# Altium PCB PCB1.PcbDoc
Units mm, origin at the board's own origin, x right, y up, seen from the top; angles counter-clockwise.
Board outline 100 x 100 mm, 4 copper layers (Top Layer, AGND, PWR, Bottom Layer), stack 1.747 mm thick; 183 components, 95 nets, 503 pads, 69 vias.
Unrouted connection lines stored in the file: 247.
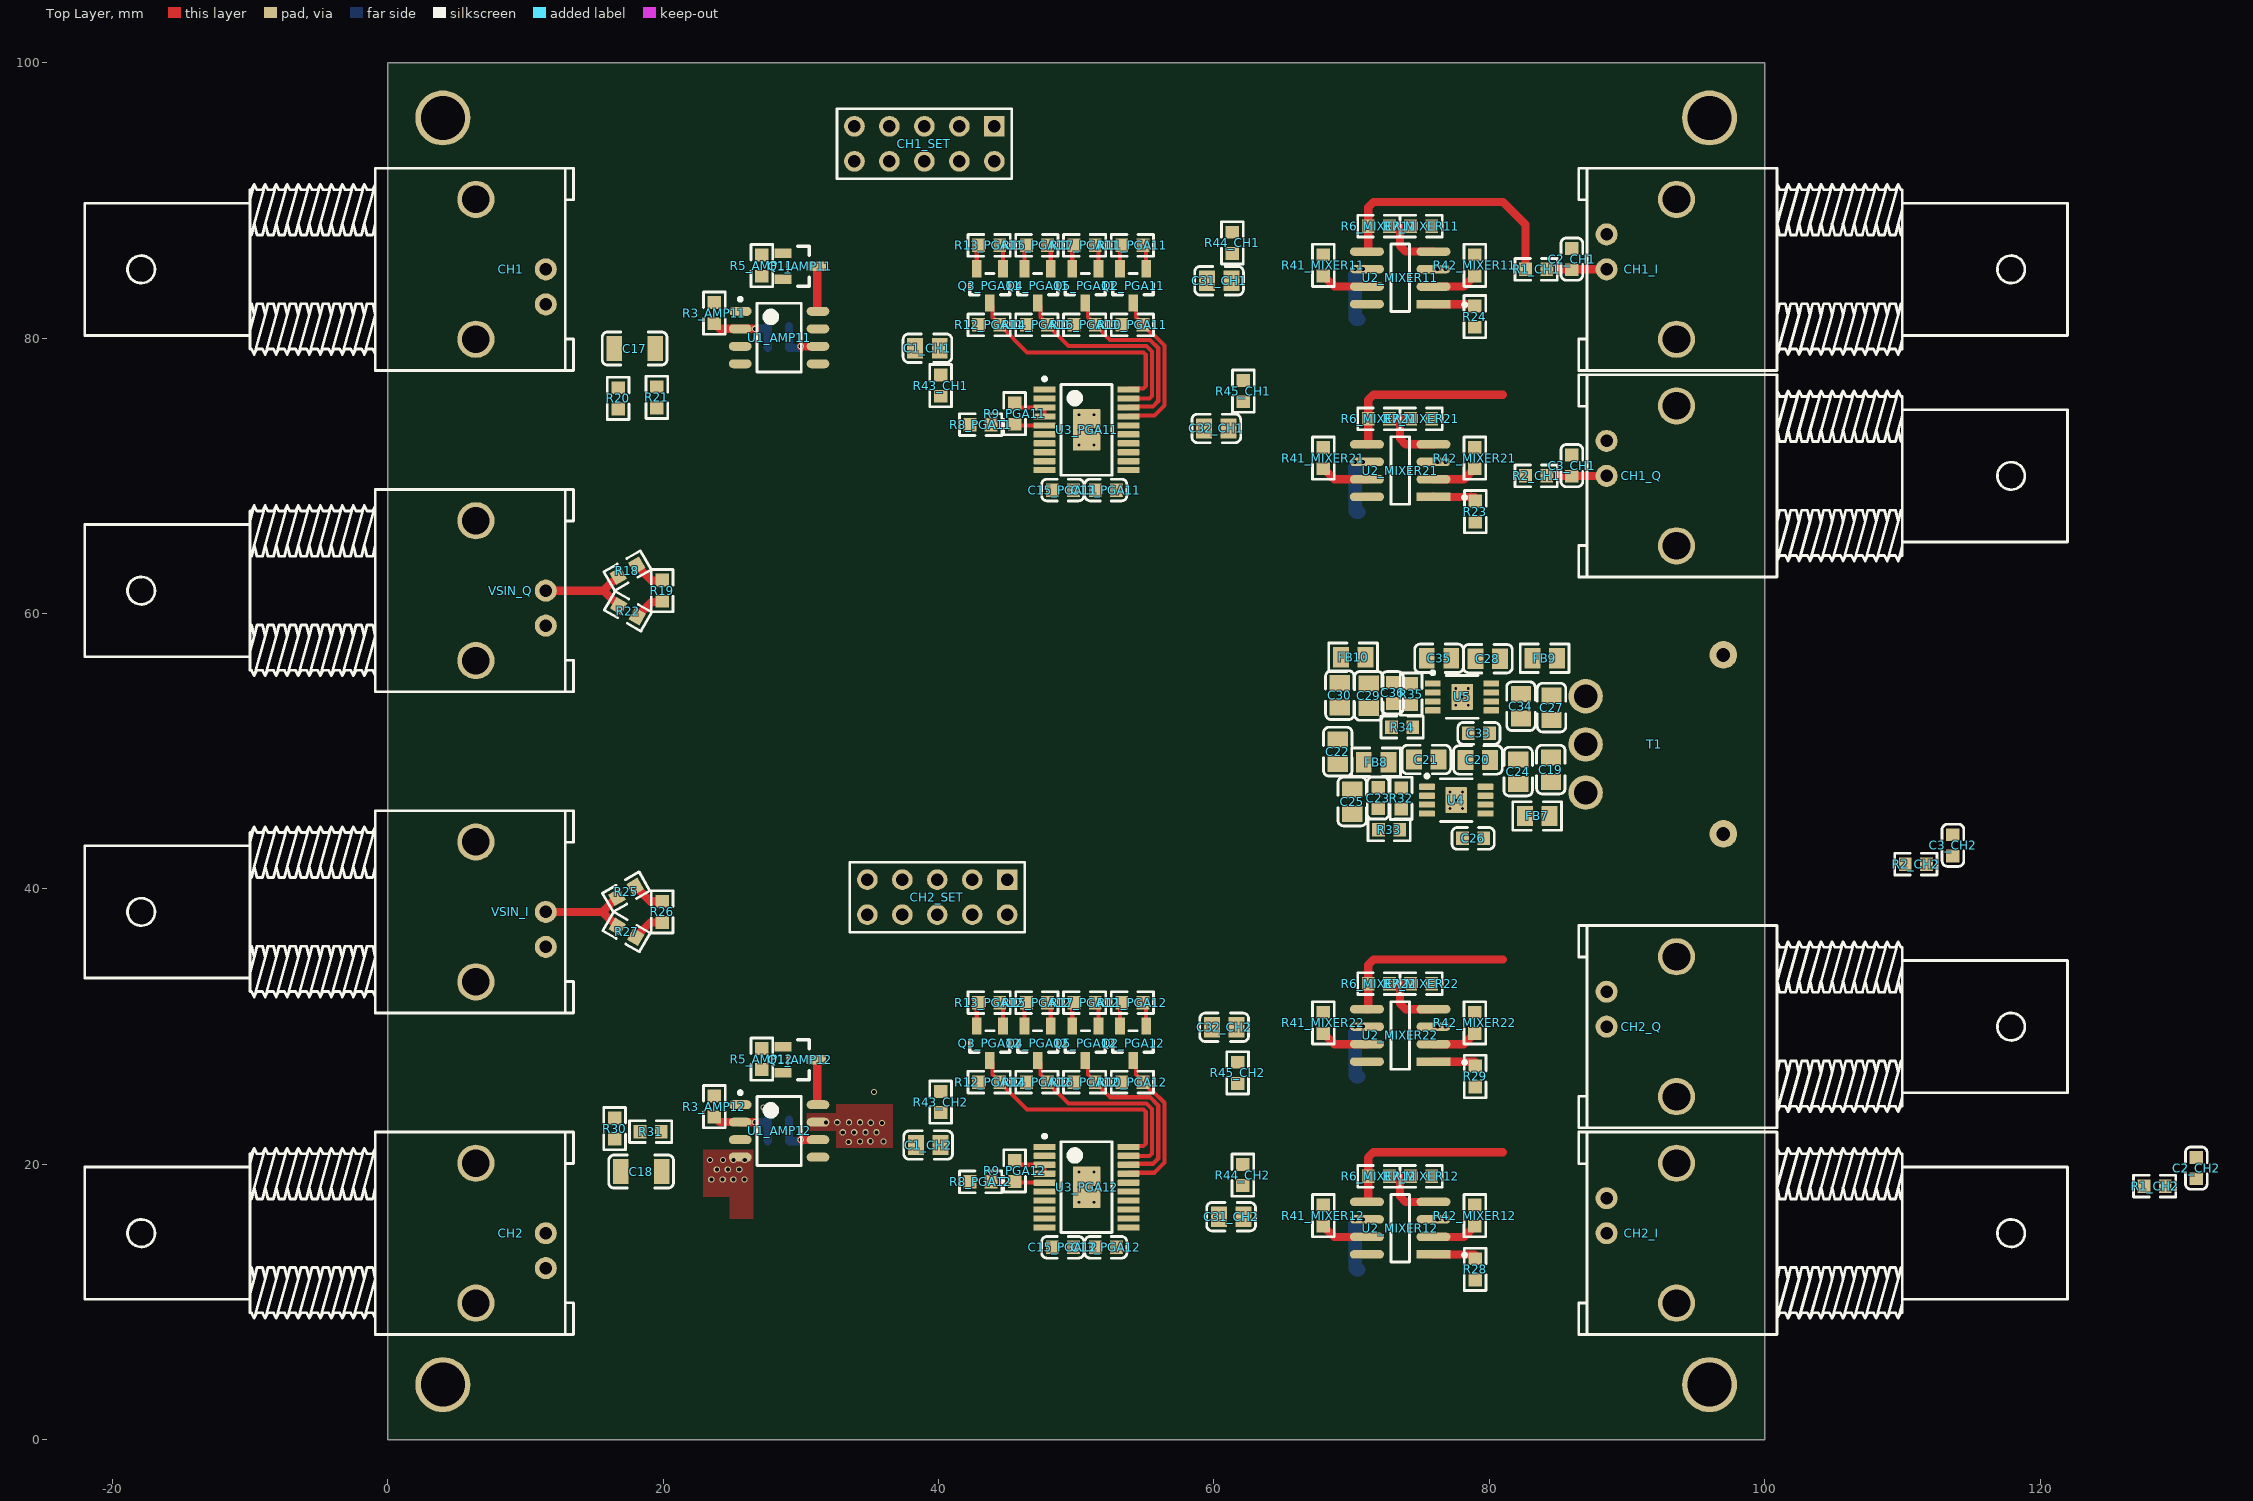
[diagram p0: Top Layer view]
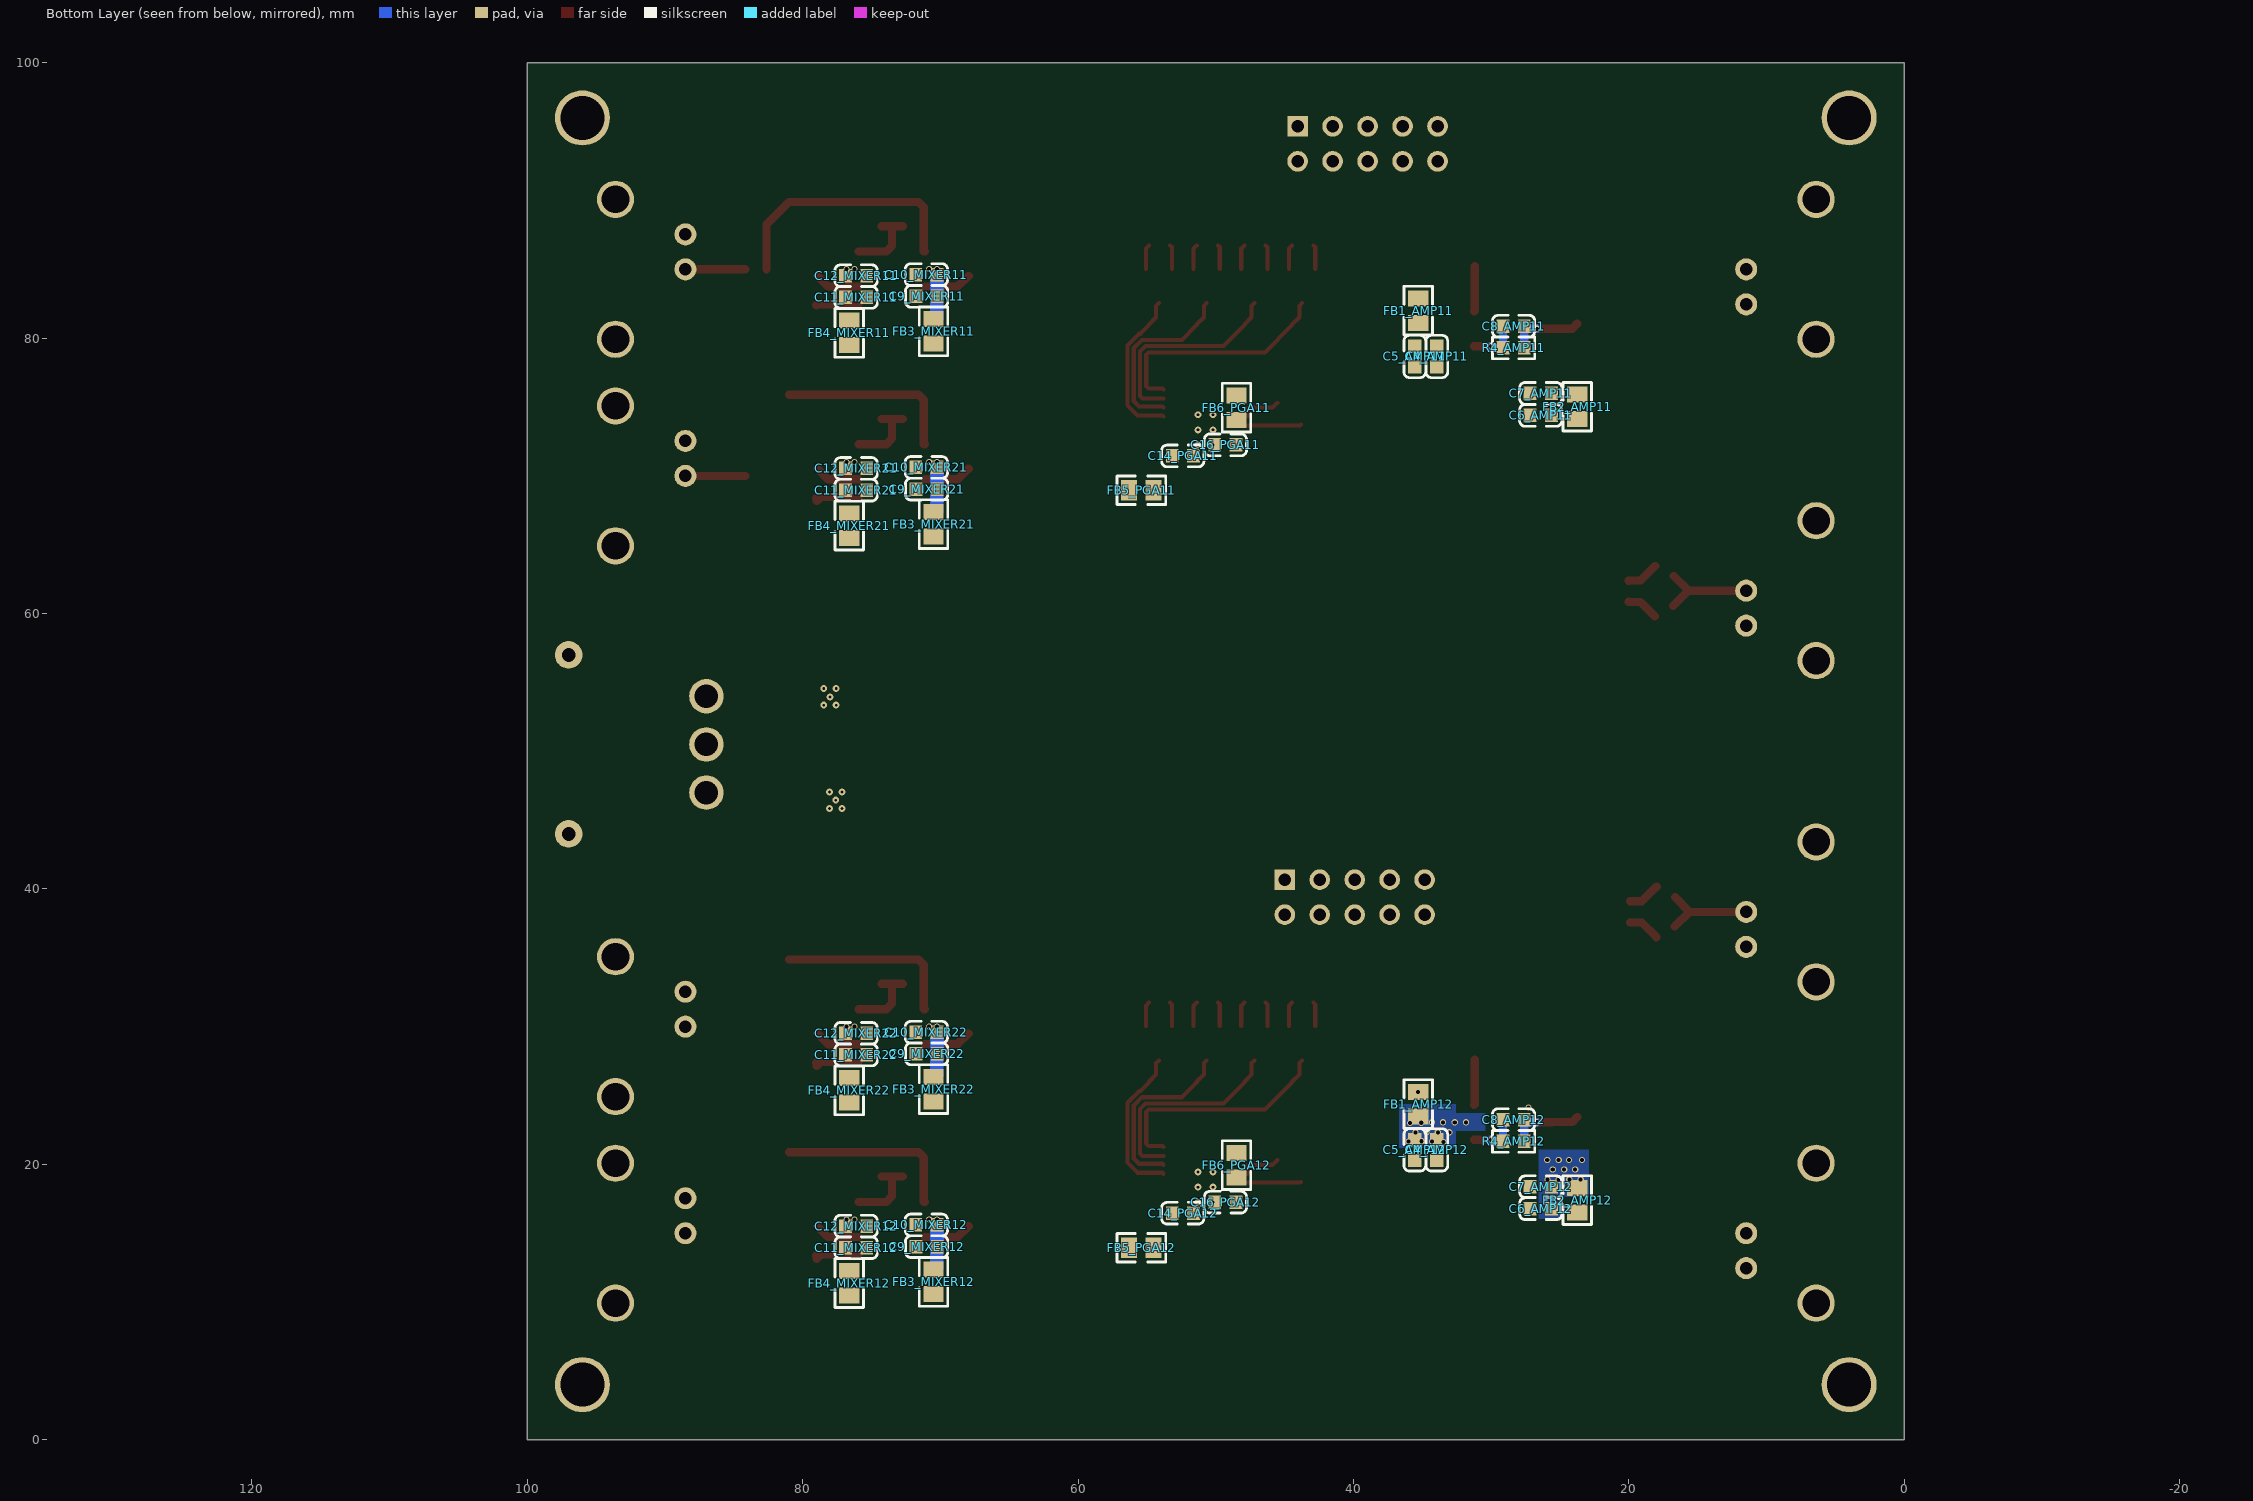
[diagram p1: Bottom Layer view, seen from below]
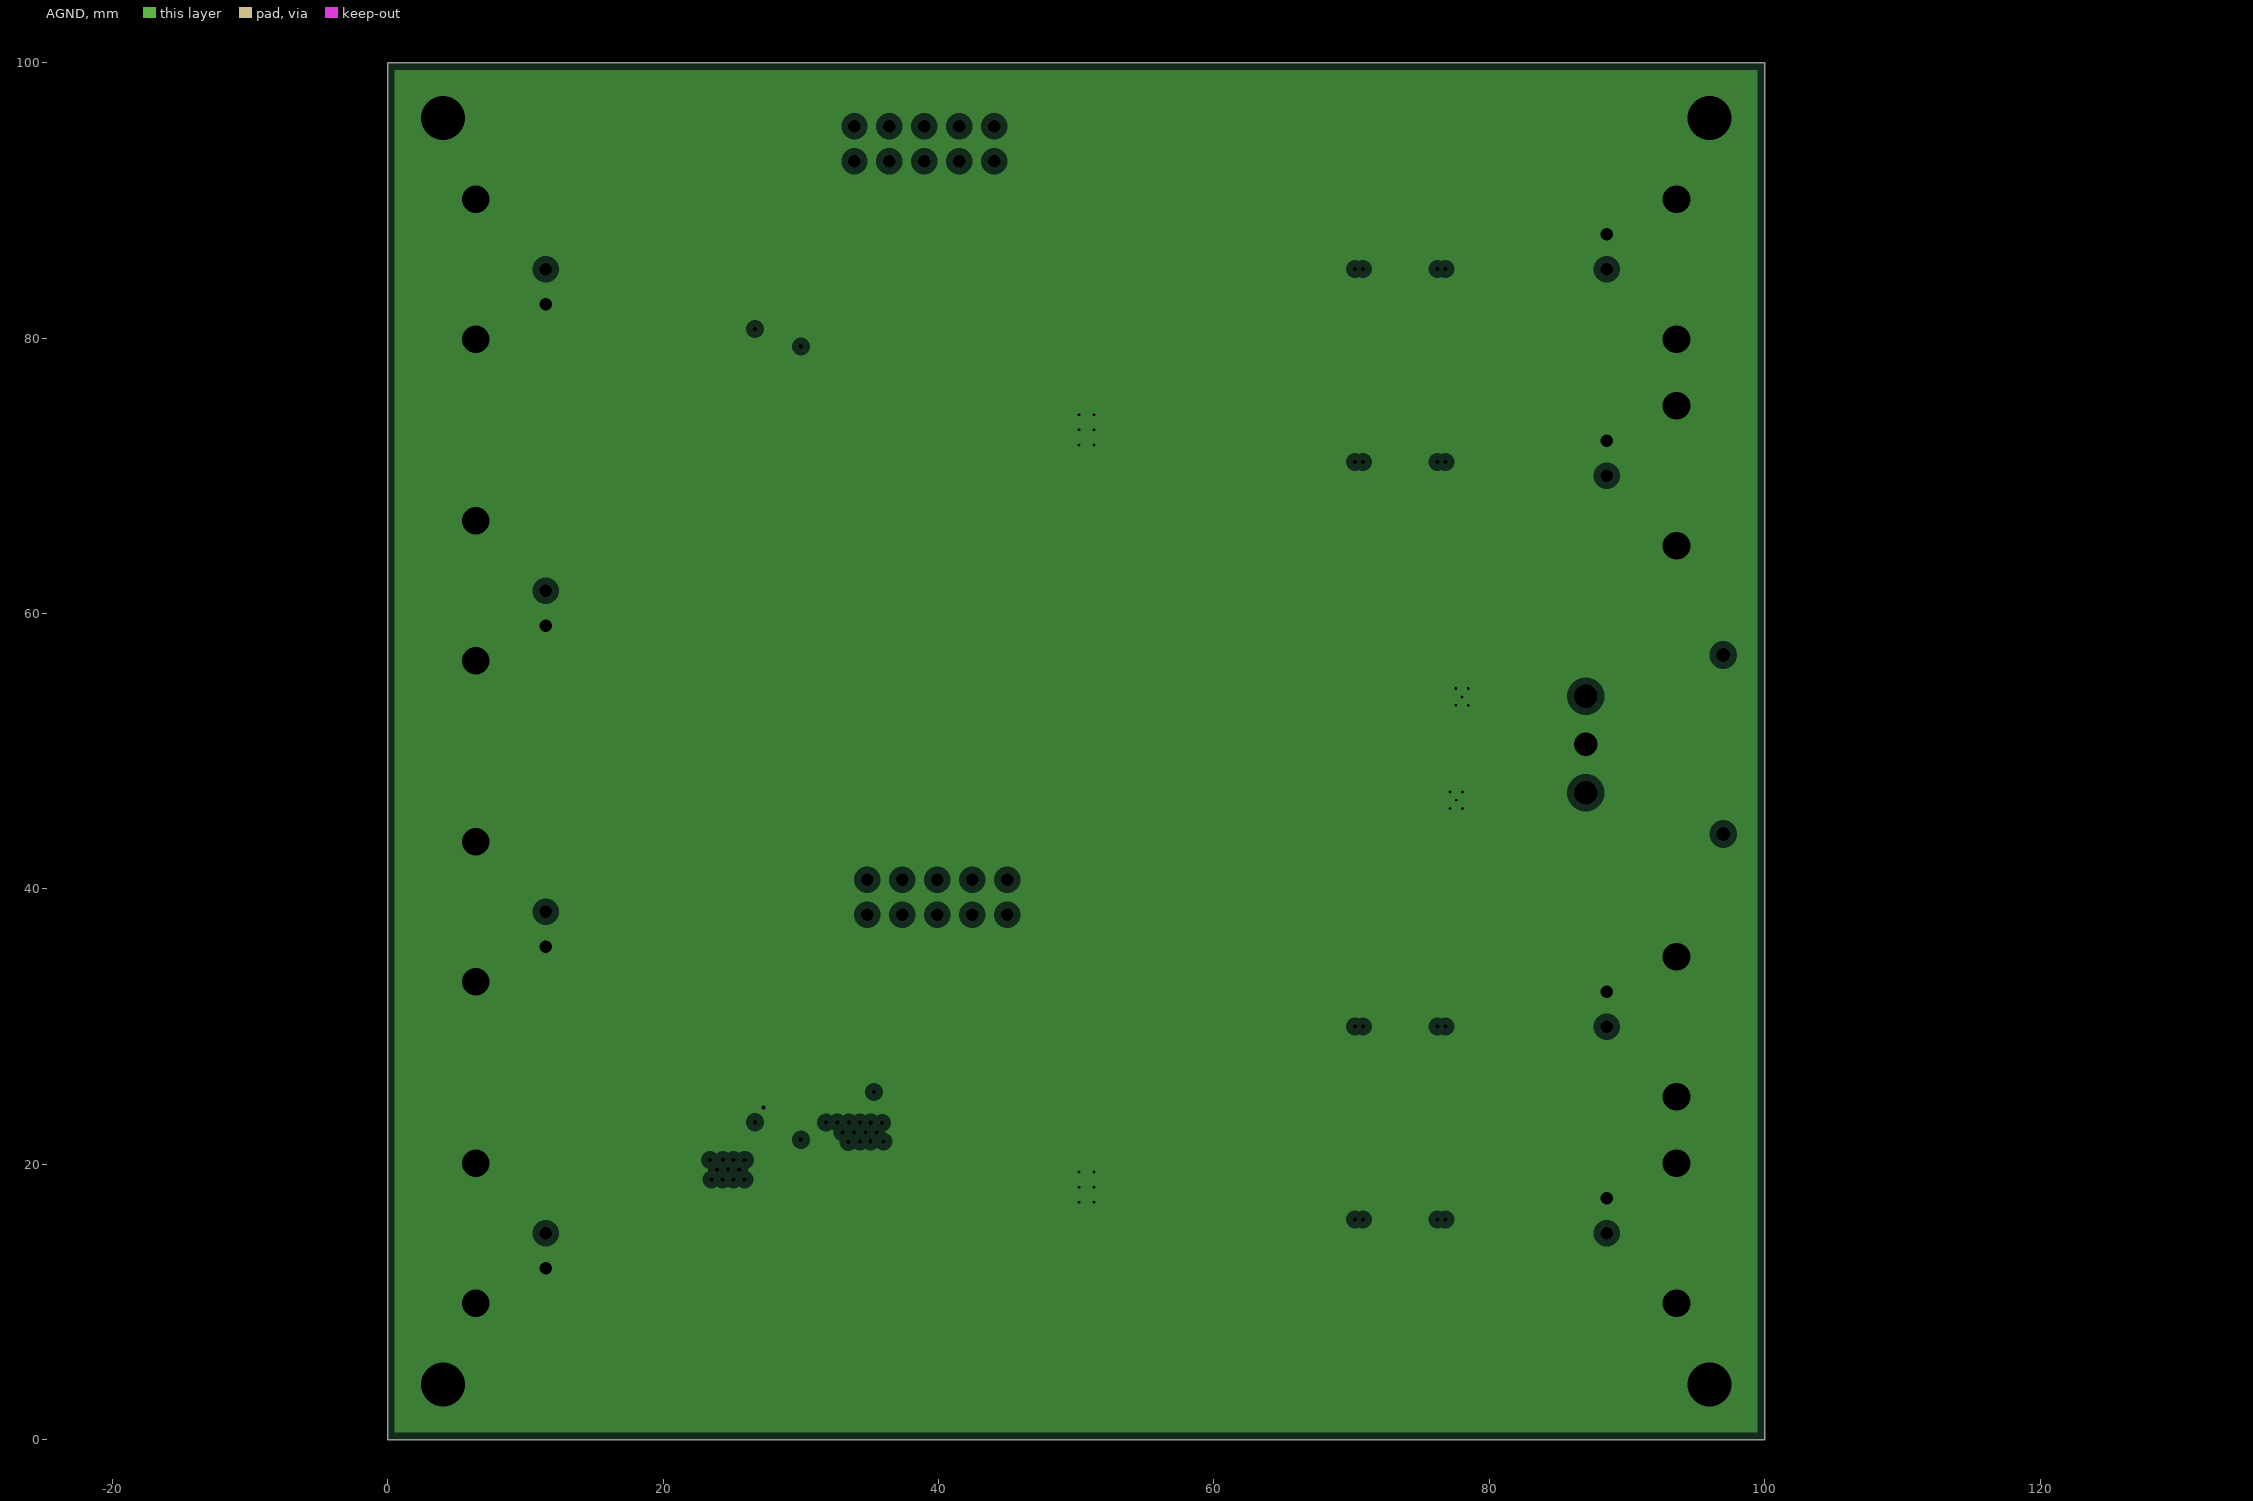
[diagram p2: AGND, clearances drawn from the general rule]
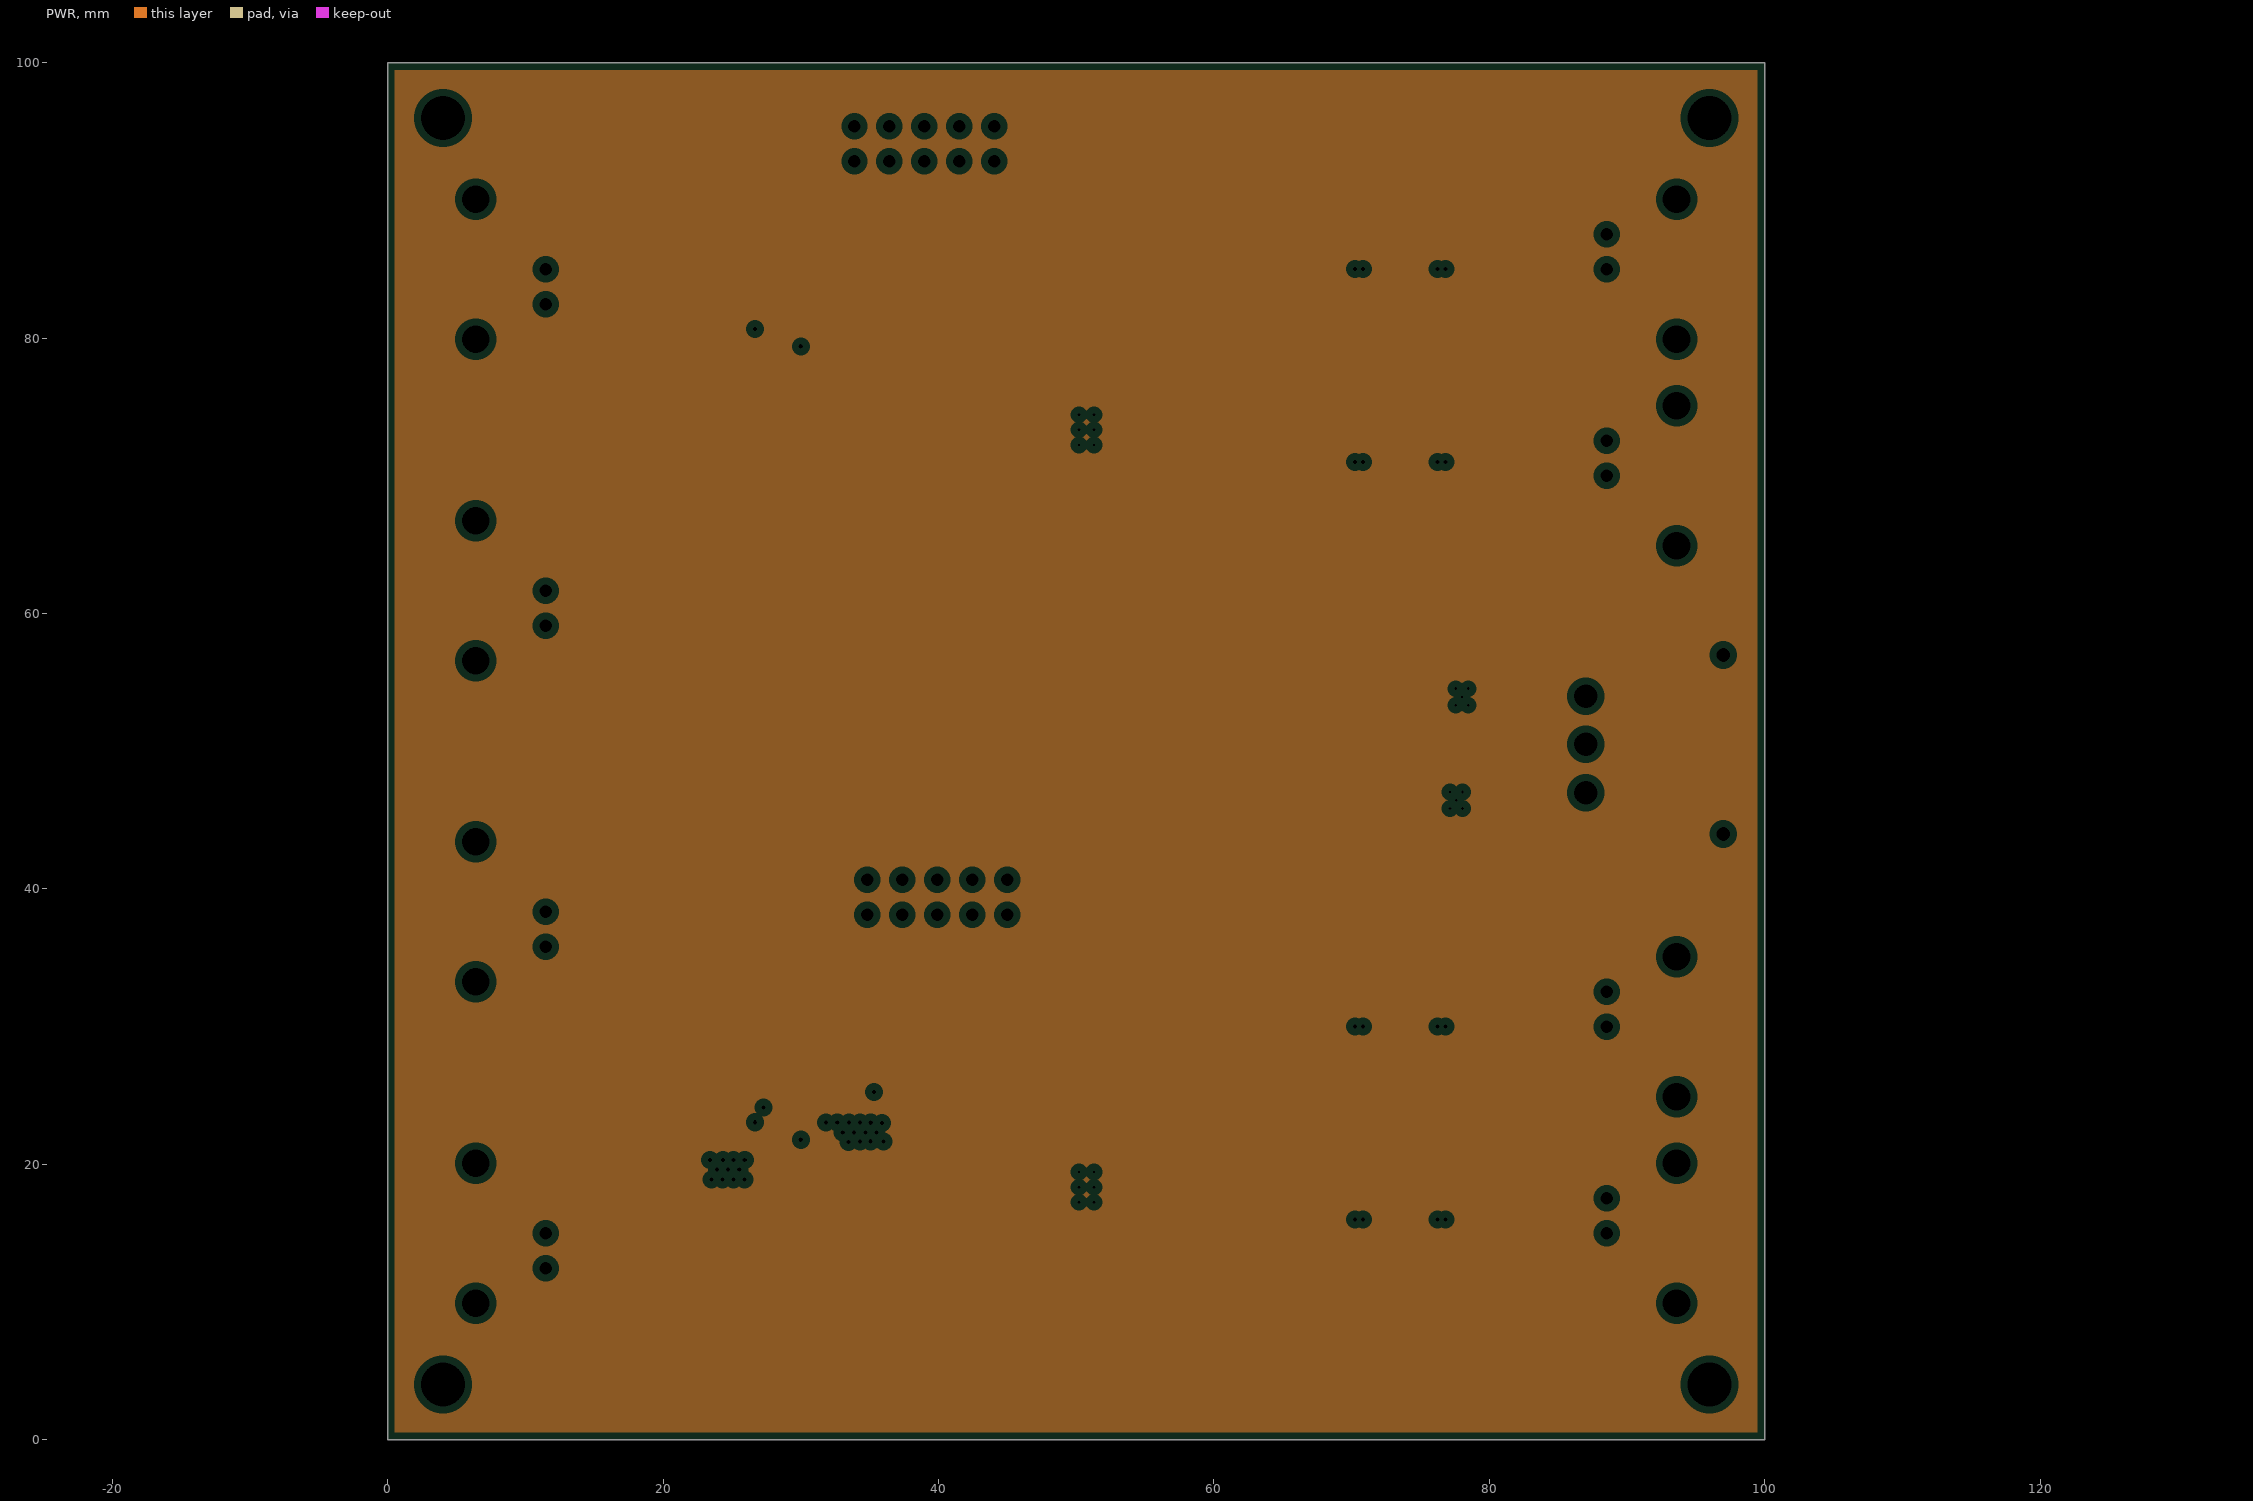
[diagram p3: PWR, clearances drawn from the general rule]

## Layer stack, top to bottom
Top Solder: solder mask 0.015, Solder Resist, Dk 3.5
Top Layer: signal copper 0.035
Dielectric 2: prepreg 0.0711, PP-006, Dk 4.1
AGND: plane copper 0.0175, net AGND
Dielectric 1: dielectric 1.5, FR-4, Dk 4.8
PWR: plane copper 0.0175
Dielectric 3: prepreg 0.0711, PP-006, Dk 4.1
Bottom Layer: signal copper 0.035
Bottom Solder: solder mask 0.015, Solder Resist, Dk 3.5

## Board outline
0,0 0,100 100,100 100,0

## Design rules (kind name [scope] priority, off if disabled: settings)
Clearance [All] p1: gap=0.152 ignorepadtopadclearanceinfootprint=FALSE
MinimumSolderMaskSliver [All] p1: minsoldermaskwidth=0.127
PlaneClearance [All] p1: clearance=0.508
PlaneConnect [All] p1: planeconnectstyle=Direct reliefexpansion=0.508 reliefentries=4 reliefconductorwidth=0.254 reliefairgap=0.254
PolygonConnect [All] p1: connectstyle=Direct reliefconductorwidth=0.254 reliefentries=4 polygonreliefangle="90 Angle" airgapwidth=0.254
RoomDefinition MIXER12 [InComponentClass('MIXER12')] p1: confinementstyle=ConfineIn formatcopy=TRUE lockcomponents=FALSE outline 81.35,22.5 66,22.5 66,8.5 81.35,8.5
RoomDefinition MIXER22 [InComponentClass('MIXER22')] p2: confinementstyle=ConfineIn formatcopy=TRUE lockcomponents=FALSE outline 81.35,36.5 66,36.5 66,22.5 81.35,22.5
RoomDefinition PGA11 [InComponentClass('PGA11')] p3: confinementstyle=ConfineIn formatcopy=TRUE lockcomponents=FALSE outline 41.4,66.791 57.893,66.791 57.893,88.216 41.4,88.216
RoomDefinition PWR [InComponentClass('PWR')] p4: confinementstyle=ConfineIn formatcopy=TRUE lockcomponents=FALSE outline 100.242,59.125 67.325,59.125 67.325,42.125 100.242,42.125
RoomDefinition PGA12 [InComponentClass('PGA12')] p5: confinementstyle=ConfineIn formatcopy=TRUE lockcomponents=FALSE outline 41.4,11.791 57.893,11.791 57.893,33.216 41.4,33.216
RoomDefinition MIXER21 [InComponentClass('MIXER21')] p6: confinementstyle=ConfineIn formatcopy=TRUE lockcomponents=FALSE outline 81.35,77.52 66,77.52 66,63.52 81.35,63.52
RoomDefinition MIXER11 [InComponentClass('MIXER11')] p7: confinementstyle=ConfineIn formatcopy=TRUE lockcomponents=FALSE outline 81.35,91.52 66,91.52 66,77.52 81.35,77.52
RoomDefinition AMP12 [InComponentClass('AMP12')] p8: confinementstyle=ConfineIn formatcopy=TRUE lockcomponents=FALSE outline 22.3,15.453 36.95,15.453 36.95,29.553 22.3,29.553
RoomDefinition AMP11 [InComponentClass('AMP11')] p9: confinementstyle=ConfineIn formatcopy=TRUE lockcomponents=FALSE outline 22.3,73.075 36.95,73.075 36.95,87.175 22.3,87.175
RoutingVias [All] p1: holewidth=0.3 width=0.45 viastyle="Through Hole" minholewidth=0.3 minwidth=0.4 maxholewidth=0.3 maxwidth=0.6
SilkToSilkClearance [All] p1: silktosilkclearance=0.127
SilkToSolderMaskClearance [IsPad] p1: minsilkscreentomaskgap=0.152 clearancetoexposedcopper=TRUE
SolderMaskExpansion [All] p1: expansion=0.102 istentingtop=FALSE
SupplyNets "Schematic Supply Nets_2" [InNet('+AVEE_5P5V')] p1: voltage=0.000
SupplyNets "Schematic Supply Nets_1" [InNet('+AVDD_5P5V')] p2: voltage=0.000
SupplyNets "Schematic Supply Nets" [InNet('AGND')] p3: voltage=0.000
Width [All] p1: maxlimit=25.4 minlimit=0.127 preferedwidth=0.254
25 further rules are at their usual default settings.

## Classes and differential pairs
component class PWR: C19 C20 C21 C22 C23 C24 C25 C26 C27 C28 C29 C30 C33 C34 C35 C36 FB7 FB8 FB9 FB10 R32 R33 R34 R35 T1 U4 U5
channel class THS7001_PGA: PGA11 PGA12
channel class OPA847_LNA: AMP11 AMP12
channel class Analog_Channel: CH1 CH2
channel class AD835_Mixer: MIXER11 MIXER12 MIXER21 MIXER22
net class CH2_CONT_BIT[0..4]: CH2_CONT_BIT0 CH2_CONT_BIT1 CH2_CONT_BIT2 CH2_CONT_BIT3 CH2_CONT_BIT4
net class CH1_CONT_BIT[0..4]: CH1_CONT_BIT0 CH1_CONT_BIT1 CH1_CONT_BIT2 CH1_CONT_BIT3 CH1_CONT_BIT4
component class PGA12: C13_PGA12 C14_PGA12 C15_PGA12 C16_PGA12 FB5_PGA12 FB6_PGA12 Q2_PGA12 Q3_PGA12 Q4_PGA12 Q5_PGA12 R8_PGA12 R9_PGA12 R10_PGA12 R11_PGA12 R12_PGA12 R13_PGA12 R14_PGA12 R15_PGA12 R16_PGA12 R17_PGA12 U3_PGA12
component class PGA11: C13_PGA11 C14_PGA11 C15_PGA11 C16_PGA11 FB5_PGA11 FB6_PGA11 Q2_PGA11 Q3_PGA11 Q4_PGA11 Q5_PGA11 R8_PGA11 R9_PGA11 R10_PGA11 R11_PGA11 R12_PGA11 R13_PGA11 R14_PGA11 R15_PGA11 R16_PGA11 R17_PGA11 U3_PGA11
component class MIXER22: C9_MIXER22 C10_MIXER22 C11_MIXER22 C12_MIXER22 FB3_MIXER22 FB4_MIXER22 R6_MIXER22 R7_MIXER22 R41_MIXER22 R42_MIXER22 U2_MIXER22
component class MIXER21: C9_MIXER21 C10_MIXER21 C11_MIXER21 C12_MIXER21 FB3_MIXER21 FB4_MIXER21 R6_MIXER21 R7_MIXER21 R41_MIXER21 R42_MIXER21 U2_MIXER21
component class MIXER12: C9_MIXER12 C10_MIXER12 C11_MIXER12 C12_MIXER12 FB3_MIXER12 FB4_MIXER12 R6_MIXER12 R7_MIXER12 R41_MIXER12 R42_MIXER12 U2_MIXER12
component class MIXER11: C9_MIXER11 C10_MIXER11 C11_MIXER11 C12_MIXER11 FB3_MIXER11 FB4_MIXER11 R6_MIXER11 R7_MIXER11 R41_MIXER11 R42_MIXER11 U2_MIXER11
component class CH2: C1_CH2 C2_CH2 C3_CH2 C31_CH2 C32_CH2 R1_CH2 R2_CH2 R43_CH2 R44_CH2 R45_CH2
component class CH1: C1_CH1 C2_CH1 C3_CH1 C31_CH1 C32_CH1 R1_CH1 R2_CH1 R43_CH1 R44_CH1 R45_CH1
component class Analog_Channel_Test: C17 C18 CH1 CH1_I CH1_Q CH1_SET CH2 CH2_I CH2_Q CH2_SET R18 R19 R20 R21 R22 R23 R24 R25 R26 R27 R28 R29 R30 R31 VSIN_I VSIN_Q
component class AMP12: C4_AMP12 C5_AMP12 C6_AMP12 C7_AMP12 C8_AMP12 FB1_AMP12 FB2_AMP12 Q1_AMP12 R3_AMP12 R4_AMP12 R5_AMP12 U1_AMP12
component class AMP11: C4_AMP11 C5_AMP11 C6_AMP11 C7_AMP11 C8_AMP11 FB1_AMP11 FB2_AMP11 Q1_AMP11 R3_AMP11 R4_AMP11 R5_AMP11 U1_AMP11
